# Altium PCB MB1404.PcbDoc (part 5 of 7)
Units mm, origin at the board's own origin, x right, y up, seen from the top; angles counter-clockwise.
Board outline 70 x 133.34 mm, 6 copper layers (Top Layer, Signal Layer 1, Signal Layer 2, Signal Layer 3, Signal Layer 4, Bottom Layer), stack 1.57 mm thick; 345 components, 311 nets, 1508 pads, 1746 vias.
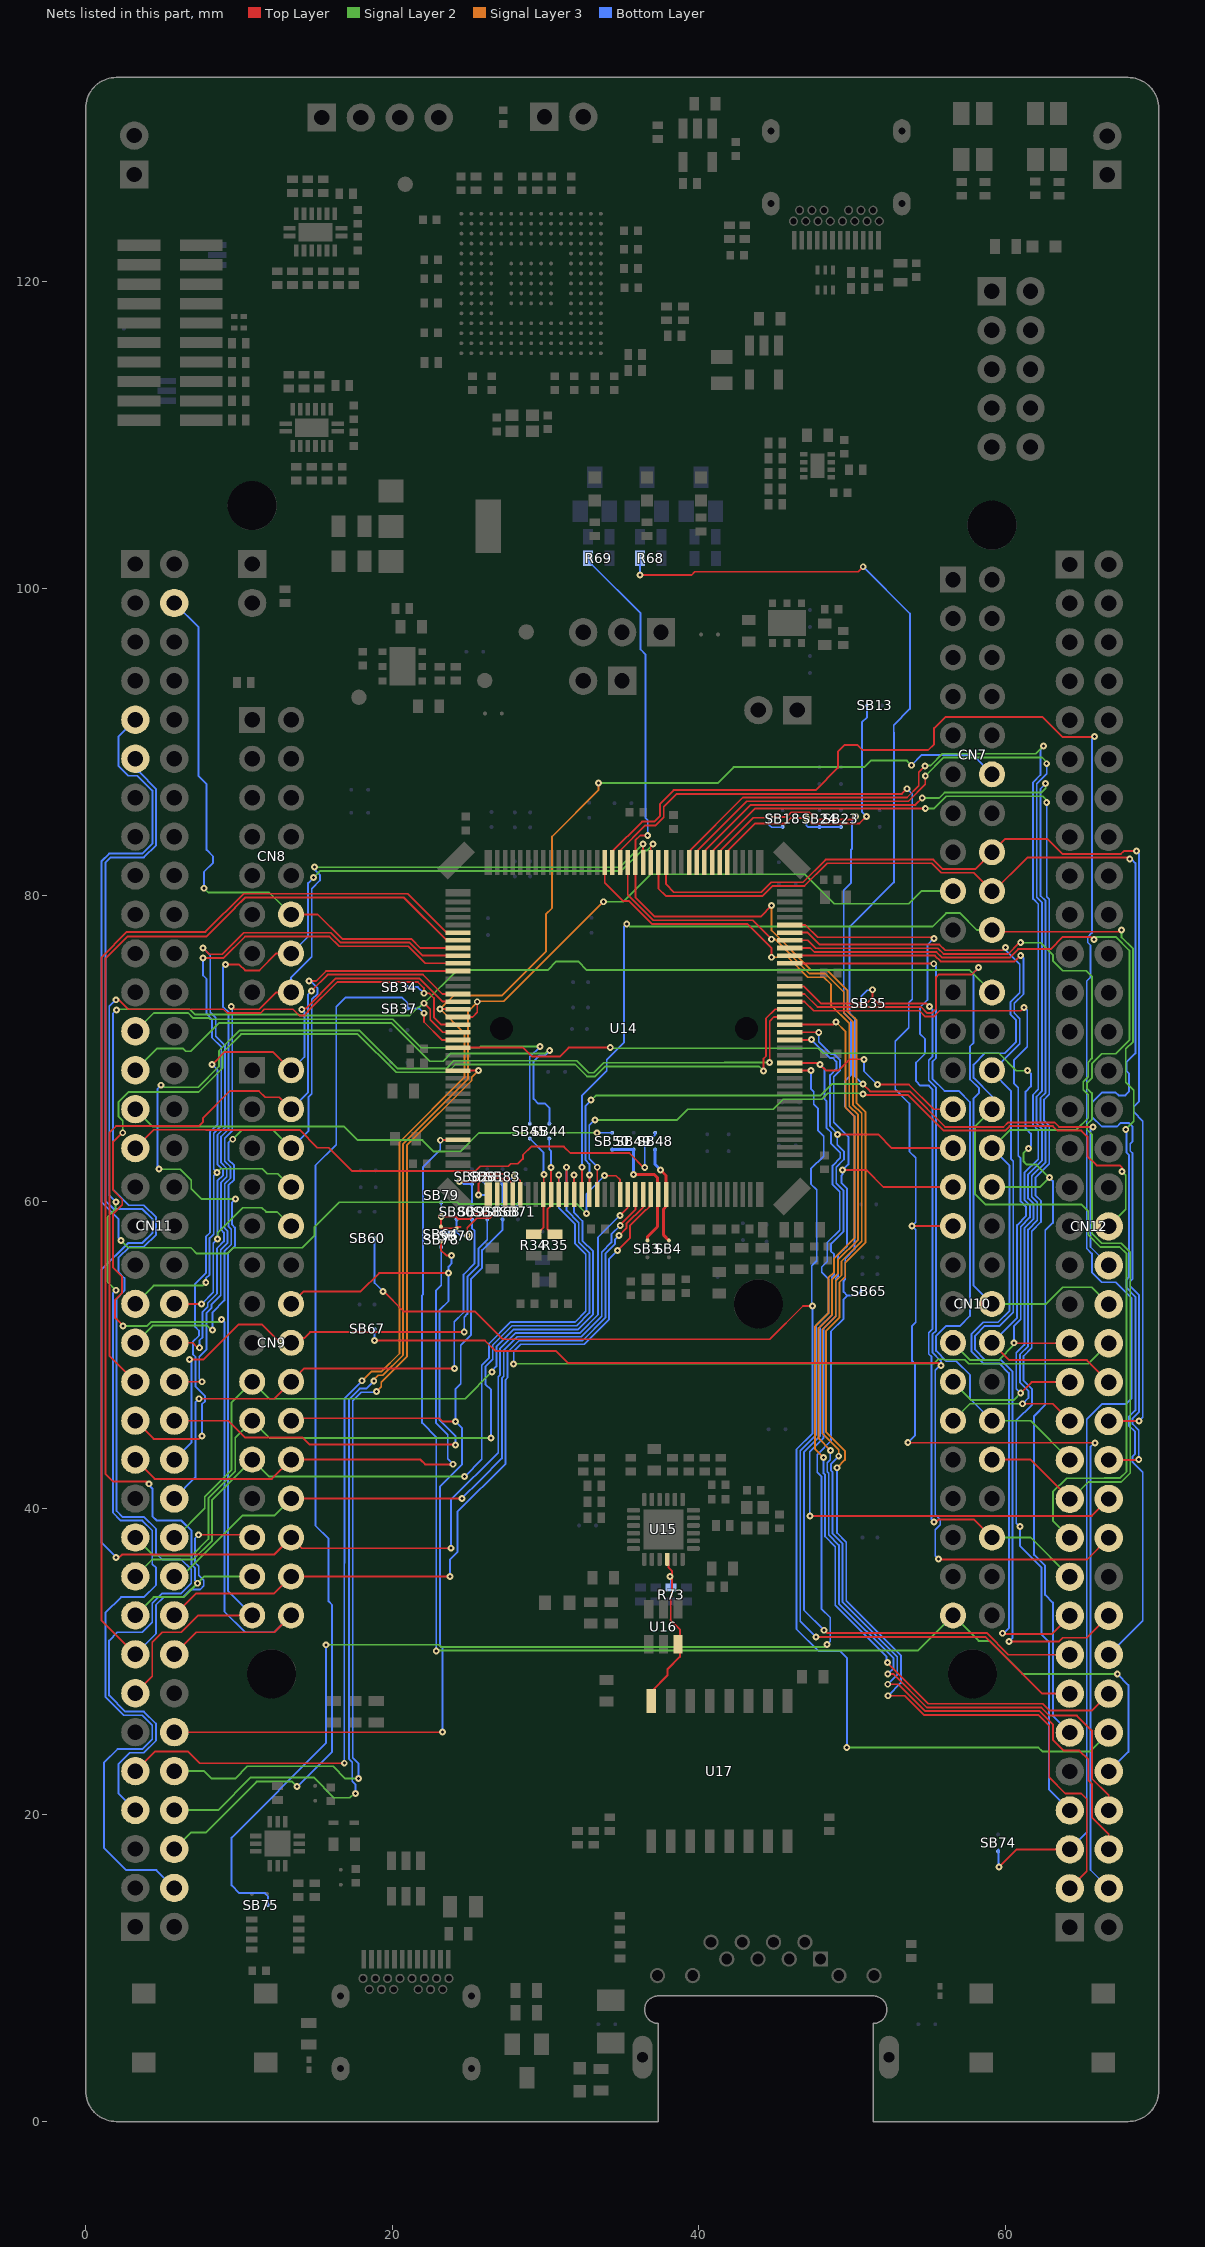
[diagram p9: the nets of this part, all layers, seen from the top]

## Via types
v1: diameter 0.45, hole 0.2, Top Layer to Bottom Layer, tented both sides, 1737 vias
v2: diameter 0.6, hole 0.3, Top Layer to Bottom Layer, tented both sides, 9 vias

## Nets (pads, with @x,y where several pads share a name; then routed paths per layer and width w, separated by ;. In a path a pad name is that pad's centre, name@x,y a point inside that pad or via, vN(x,y) a via of type N, cw(c..) or ccw(c..) an arc to the next point about the centre after c; other vN are vias at no path point) (continued)
PC14: CN11.25 SB45.1 | length 33.1
  Signal Layer 2 w0.12: CN11.25@3.246,71.119 4.441,72.314 6.686,72.314 7.02,71.98 8.05,71.98 8.121,71.909 20.041,71.909 21.9,70.05 25.693,70.05 25.768,70.125 v1(29.65,70.125)
  Bottom Layer w0.12: SB45.1@28.975,65.15 28.975,69.45 v1(29.65,70.125)
PC14-OSC32_IN: R34.1 SB45.2 U14.8 | length 7
  Top Layer w0.12: R34.1@29.225,57.875 29.425,57.875 29.866,58.316 U14.8@29.866,60.479 29.888,60.501 29.888,61.756 v1(29.91,61.778)
  Bottom Layer w0.12: SB45.2@28.975,64.125 29.866,63.234 29.866,61.822 v1(29.91,61.778)
PC15: CN11.27 SB44.1 | length 35.9
  Signal Layer 2 w0.127: CN11.27@3.246,68.579 4.678,70.01 6.337,70.01 6.531,69.816 6.869,69.816 8.718,71.665 19.941,71.665 22.439,69.166 23.316,69.166 23.828,69.678 29.988,69.678 30.188,69.878 v1(30.275,69.878)
  Bottom Layer w0.127: SB44.1@30.25,65.075 30.25,66.125 29.975,66.4 29.525,66.4 29.218,66.707 29.218,69.169 29.591,69.541 29.938,69.541 v1(30.275,69.878)
PC15-OSC32_OUT: R35.1 SB44.2 U14.9 | length 6.7
  Top Layer w0.12: v1(30.366,62.241) U14.9@30.366,60.479 30.366,59.749 30.125,59.508 30.125,58.225 30.475,57.875 R35.1@30.625,57.875
  Bottom Layer w0.12: SB44.2@30.25,64.125 30.25,63.425 30.366,63.309 v1(30.366,62.241)
PD0: CN9.25 CN11.57 U14.114 | length 87
  Top Layer w0.12: CN11.57@3.246,30.479 1.046,32.679 1.046,75.955 2.692,77.601 7.816,77.601 10.306,80.091 21.009,80.091 23.546,77.554 U14.114@24.291,77.554 ; v1(7.375,38.275) 10.69,38.275 CN9.25@10.866,38.099
  Bottom Layer w0.12: CN11.57@3.246,30.479 4.591,31.824 4.591,33.702 5.103,34.214 6.343,34.214 6.837,34.708 7.468,34.708 7.705,34.945 7.705,35.323 7.378,35.65 7.378,36.218 7.138,36.458 7.138,38.038 v1(7.375,38.275)
PD1: CN9.27 CN11.55 U14.115 | length 80
  Top Layer w0.127: v1(4.125,41.602) 3.98,41.747 1.803,41.747 1.289,42.261 1.289,75.854 2.743,77.307 7.894,77.307 9.758,79.17 9.758,79.198 10.407,79.847 20.753,79.847 23.546,77.054 U14.115@24.291,77.054
  Signal Layer 2 w0.127: CN11.55@3.246,33.019 4.438,34.21 6.398,34.21 v1(7.3,35.113) 7.746,35.559 CN9.27@10.866,35.559
  Bottom Layer w0.127: v1(4.125,41.602) 4.1,41.577 4.1,41.55 4.354,41.296 4.354,39.496 4.643,39.207 6.245,39.207 6.894,38.558 6.894,36.357 7.134,36.117 7.134,35.3 7.3,35.134 v1(7.3,35.113)
PD2: CN8.12 CN11.4 U14.116 | length 38.1
  Top Layer w0.12: CN8.12@13.406,78.739 15.144,78.739 16.74,77.143 21.236,77.143 21.825,76.554 U14.116@24.291,76.554
  Signal Layer 2 w0.12: v1(7.725,80.45) 8.001,80.174 11.971,80.174 CN8.12@13.406,78.739
  Bottom Layer w0.12: CN11.4@5.786,99.059 7.371,97.474 7.371,87.754 7.893,87.232 7.893,82.95 8.321,82.522 8.321,82.125 7.725,81.529 v1(7.725,80.45)
PD3: CN9.10 CN11.40 U14.117 | length 50.9
  Top Layer w0.12: v1(7.666,76.555) 8.076,76.145 8.91,76.145 10.309,77.544 15.999,77.544 16.641,76.903 21.137,76.903 21.986,76.054 U14.117@24.291,76.054
  Top Layer w0.127: CN11.40@5.786,53.339 7.576,53.339 v1(7.566,53.329)
  Signal Layer 2 w0.12: v1(8.616,57.579) 8.616,57.966 10.264,59.614 11.497,59.614 11.771,59.34 12.485,59.34 CN9.10@13.406,58.419
  Bottom Layer w0.12: v1(7.566,53.329) 8.331,54.094 8.331,57.294 v1(8.616,57.579) 8.596,57.599 8.596,61.361 8.971,61.736 8.971,62.072 8.596,62.447 8.596,64.355 9.086,64.845 9.086,70.201 8.486,70.801 8.486,72.003 8.133,72.356 8.133,76.088 v1(7.666,76.555)
PD4: CN9.8 CN11.39 U14.118 | length 50.8
  Top Layer w0.12: v1(7.666,75.905) 9.009,75.905 10.408,77.304 15.9,77.304 16.541,76.663 21.038,76.663 22.146,75.554 U14.118@24.291,75.554
  Signal Layer 2 w0.12: CN11.39@3.246,53.339 4.434,54.527 7.639,54.527 v1(7.841,54.729) ; v1(8.566,61.904) 8.816,62.154 11.532,62.154 11.862,61.824 12.541,61.824 CN9.8@13.406,60.959
  Bottom Layer w0.12: v1(7.666,75.905) 7.666,74.759 7.893,74.532 7.893,72.257 8.246,71.904 8.246,70.702 8.846,70.102 8.846,64.944 8.356,64.454 8.356,62.114 v1(8.566,61.904) 8.356,61.694 8.356,57.892 8.091,57.627 8.091,55.242 7.847,54.998 7.847,54.735 v1(7.841,54.729)
PD5: CN9.6 CN11.41 U14.119 | length 45.6
  Top Layer w0.12: v1@9.554,64.125 v1(9.6,64.078) ; v1(14.576,74.404) 14.572,74.4 15.036,74.4 15.689,75.054 U14.119@24.291,75.054
  Signal Layer 2 w0.12: CN11.41@3.246,50.799 4.372,51.925 7.925,51.925 8.25,51.6 8.281,51.631 v1(8.281,51.637) ; v1(9.6,64.078) 10.182,64.66 12.245,64.66 CN9.6@13.406,63.499
  Signal Layer 3 w0.12: v1(8.281,51.637) v1@8.293,51.625
  Bottom Layer w0.12: v1(8.281,51.637) 8.281,52.792 9.051,53.562 9.051,56.762 9.501,57.212 9.501,58.215 9.316,58.4 9.316,61.063 9.691,61.438 9.691,62.37 9.316,62.745 9.316,63.841 9.575,64.1 9.579,64.1 v1(9.6,64.078) ; CN9.6@13.406,63.499 14.55,64.643 14.55,66.843 14.751,67.044 14.751,73.203 15.13,73.582 15.13,73.918 14.644,74.404 v1(14.576,74.404)
PD6: CN9.4 CN11.43 U14.122 | length 49.3
  Top Layer w0.12: CN11.43@3.246,48.259 1.556,49.948 1.556,64.507 1.984,64.934 7.371,64.934 7.661,65.224 7.661,65.472 9.414,67.225 11.302,67.225 11.707,66.82 12.625,66.82 CN9.4@13.406,66.039 ; v1(14.725,73.75) 15.789,74.814 22.011,74.814 23.271,73.554 U14.122@24.291,73.554
  Bottom Layer w0.12: CN9.4@13.406,66.039 14.511,67.144 14.511,73.536 v1(14.725,73.75)
PD7: CN9.2 CN11.45 U14.123 | length 52.7
  Top Layer w0.12: v1(8.25,68.95) 9.079,69.779 12.206,69.779 CN9.2@13.406,68.579 ; v1(14.101,72.554) 14.101,72.599 14.351,72.6 16.325,74.574 21.776,74.574 23.296,73.054 U14.123@24.291,73.054
  Top Layer w0.127: CN11.45@3.246,45.719 4.431,44.534 7.397,44.534 v1(7.591,44.729)
  Bottom Layer w0.12: v1(7.591,44.729) 7.591,46.778 7.796,46.983 7.796,47.318 7.171,47.943 7.171,49.872 7,50.043 7,50.865 7.396,51.261 7.396,51.596 7.159,51.834 7.151,51.834 7.131,51.854 7.131,54.621 7.851,55.341 7.851,57.726 8.116,57.991 8.116,64.554 8.606,65.044 8.606,68.594 v1(8.25,68.95) ; CN9.2@13.406,68.579 14.271,69.444 14.271,72.383 v1(14.101,72.554)
PD8: SB13.2 SB23.1 SB24.1 U14.77 | length 21.4
  Top Layer w0.12: U14.77@41.866,82.129 41.866,82.858 43.693,84.685 45.658,84.685 46.008,85.035 46.865,85.035 46.95,84.95 46.973,84.95 v1(47.027,85.004) 47.346,84.685 50.485,84.685 50.95,85.15 v1(50.95,85.125)
  Bottom Layer w0.12: v1(47.027,85.004) 47.027,84.543 47.12,84.45 SB24.1@47.875,84.45 SB23.1@49.275,84.45 ; v1(50.95,85.125) 50.643,85.432 50.643,91.268 50.975,91.6 SB13.2@50.975,92.375
PD9: SB18.1 SB65.2 SB75.1 U14.78 | length 124.4
  Top Layer w0.12: U14.78@41.366,82.129 41.366,82.866 43.55,85.05 44.55,85.05 v1(44.6,85.1) 45.734,85.1 46.043,85.409 47.195,85.409 47.679,84.925 50.025,84.925 v1(50.225,85.125)
  Signal Layer 2 w0.12: v1(15.675,31.1) 22.702,31.1 22.707,31.105 23.043,31.105 23.189,30.959 48.209,30.959 v1(48.375,31.125)
  Bottom Layer w0.12: SB75.1@11.9,14.125 11.9,14.7 11.7,14.9 10.025,14.9 9.525,15.4 9.525,18.525 15.675,24.675 v1(15.675,31.1) ; v1(44.6,85.1) 44.6,84.575 44.75,84.425 45.45,84.425 SB18.1@45.475,84.45 ; v1(48.375,31.125) 48.58,31.33 48.58,32.88 47.995,33.465 47.995,42.089 47.722,42.362 47.722,43.495 47.786,43.559 47.786,43.564 48.625,44.403 48.625,51.542 49.442,52.359 49.442,53.631 49.686,53.875 ; v1(50.225,85.125) 50,84.9 50,83.035 49.94,82.975 49.94,80.8 49.455,80.315 49.455,72.334 49.94,71.849 49.94,68.277 49.525,67.862 49.525,66.214 50.15,65.589 50.15,56.896 49.55,56.296 49.55,54.932 49.442,54.824 49.442,54.119 49.686,53.875 ; SB65.2@50.6,54.175 50.3,53.875 49.686,53.875
PD10: CN12.65 U14.79 | length 93.5
  Top Layer w0.12: U14.79@40.866,82.129 40.866,82.858 43.658,85.65 v1(54.775,85.65)
  Signal Layer 2 w0.12: v1(54.775,85.65) 55.33,85.65 56.128,86.448 62.427,86.448 62.725,86.15 62.696,86.121 v1(62.696,86.043)
  Bottom Layer w0.12: v1(60.95,38.825) v1@60.95,38.8 ; v1(62.696,86.043) 62.696,79.888 62.861,79.723 62.861,67 62.766,66.905 62.757,66.905 62.52,66.668 62.52,65.305 62.861,64.964 62.861,62.486 61.967,61.592 61.967,61.571 61.962,61.565 61.962,60.418 62.322,60.058 62.322,58.682 61.722,58.082 61.722,50.468 61.191,49.937 61.191,48.323 61.74,47.774 61.74,46.765 60.711,45.736 60.711,39.039 v1@60.95,38.8 ; CN12.65@64.206,20.294 62.854,21.646 62.854,31.271 62.35,31.775 62.35,36.15 60.95,37.55 v1@60.95,38.8
PD11: CN10.23 CN12.45 U14.80 | length 75.9
  Top Layer w0.12: U14.80@40.366,82.129 40.366,82.866 43.39,85.89 54.128,85.89 v1(54.575,86.337) ; v1(61.125,46.824) 63.076,46.824 CN12.45@64.206,45.694
  Signal Layer 2 w0.12: v1(54.575,86.337) 55.678,86.337 56.029,86.688 62.338,86.688 62.628,86.978 v1(62.628,87.272) ; CN10.23@56.586,45.719 57.691,46.824 v1(61.125,46.824)
  Bottom Layer w0.12: v1(61.125,46.824) 61.5,47.199 61.5,47.675 60.951,48.224 60.951,50.037 61.482,50.568 61.482,58.181 62.082,58.781 62.082,59.958 61.722,60.318 61.722,61.67 61.727,61.676 61.727,61.692 62.621,62.585 62.621,64.865 62.28,65.206 62.28,66.767 62.621,67.108 62.621,79.624 62.291,79.954 62.291,86.935 v1(62.628,87.272)
PD12: CN10.21 CN12.43 U14.81 | length 78.1
  Top Layer w0.12: U14.81@39.866,82.129 39.866,82.866 43.13,86.13 53.68,86.13 54.775,87.225 v1(54.775,87.775) ; v1(61,47.525) 61.709,48.234 CN12.43@64.206,48.234
  Signal Layer 2 w0.12: v1(54.775,87.775) 55.988,88.988 62.387,88.988 62.725,88.65 62.725,88.604 v1(62.696,88.575) ; CN10.21@56.586,48.259 57.781,47.064 60.539,47.064 v1(61,47.525)
  Signal Layer 3 w0.12: v1(62.696,88.575) v1@62.696,88.595
  Bottom Layer w0.12: v1(61,47.525) 60.711,47.814 60.711,50.136 61.242,50.667 61.242,58.281 61.842,58.881 61.842,59.859 61.482,60.219 61.482,61.775 61.487,61.78 ; 61.482,61.786 62.381,62.685 62.381,64.765 62.04,65.106 62.04,66.867 62.381,67.208 62.381,79.524 62.051,79.854 62.051,87.268 62.696,87.913 v1(62.696,88.575)
PD13: CN10.19 CN12.41 U14.82 | length 76.5
  Top Layer w0.12: U14.82@39.366,82.129 39.366,82.858 42.878,86.37 53.581,86.37 54.35,87.139 54.35,88.025 v1(54.75,88.425) ; v1(60.556,50.8) 60.582,50.774 CN12.41@64.206,50.774
  Signal Layer 2 w0.12: v1(54.75,88.425) 54.782,88.457 55.118,88.457 55.888,89.228 61.978,89.228 v1(62.475,89.725) ; CN10.19@56.586,50.799 57.71,49.675 59.565,49.675 60.556,50.666 v1(60.556,50.8)
  Bottom Layer w0.12: v1(60.556,50.8) 60.556,51.885 61.002,52.331 61.002,58.38 61.602,58.98 61.602,59.759 61.242,60.119 61.242,61.885 62.141,62.784 62.141,64.666 61.8,65.007 61.8,66.984 62.141,67.325 62.141,79.425 61.811,79.755 61.811,87.367 62.291,87.847 62.291,89.491 62.525,89.725 v1(62.475,89.725)
PD14: CN7.16 CN12.46 U14.85 | length 74.5
  Top Layer w0.12: U14.85@37.866,82.129 37.866,80.709 38.38,80.195 44.074,80.195 44.726,80.846 46.796,80.846 48.27,82.32 55.305,82.32 55.927,81.698 58.021,81.698 CN7.16@59.126,82.803 59.991,83.668 62.726,83.668 63.705,82.689 67.543,82.689 67.729,82.875 v1(68.55,82.875) ; CN12.46@66.746,45.694 68.695,45.694 v1(68.703,45.702)
  Bottom Layer w0.12: v1(68.55,82.875) 68.721,82.704 68.721,66.544 68.37,66.193 68.37,65.857 68.961,65.266 68.961,45.936 68.725,45.7 68.723,45.702 v1(68.703,45.702)
PD15: CN7.18 CN12.48 U14.86 | length 82.4
  Top Layer w0.12: U14.86@37.366,82.129 37.366,80.434 37.845,79.955 44.174,79.955 44.825,80.606 46.896,80.606 48.369,82.08 55.206,82.08 55.828,81.458 57.931,81.458 CN7.18@59.126,80.263 59.126,80.149 61.426,82.449 68.001,82.449 68.088,82.362 v1(68.112,82.362) ; CN12.48@66.746,43.154 68.679,43.154 v1(68.7,43.175)
  Bottom Layer w0.12: v1(68.112,82.362) 68.214,82.362 68.481,82.095 68.481,69.681 67.898,69.098 67.898,68.538 68.061,68.375 68.061,67.172 67.825,66.936 67.387,66.936 67.204,67.119 66.288,67.119 65.641,66.472 65.641,65.556 66.288,64.909 67.284,64.909 67.505,65.13 68.059,65.13 68.301,64.888 68.301,63.951 68.148,63.799 68.148,63.31 68.301,63.158 68.301,54.975 68.145,54.819 68.145,54.482 68.721,53.906 68.721,46.293 68.298,45.87 68.298,45.502 68.7,45.1 v1(68.7,43.175)
PE0: CN10.33 CN12.64 U14.141 | length 89.5
  Top Layer w0.12: v1(23.138,64.013) 23.158,64.033 24.27,64.033 U14.141@24.291,64.054
  Signal Layer 2 w0.12: v1(22.875,30.7) 22.894,30.719 54.286,30.719 CN10.33@56.586,33.019 58.255,31.35 58.975,31.35 61.125,29.2 v1(67.3,29.2)
  Bottom Layer w0.12: v1(22.875,30.7) 22.875,44.65 21.95,45.575 21.95,53.887 22.005,53.942 22.005,62.254 23.138,63.386 v1(23.138,64.013) ; CN12.64@66.746,22.834 68.025,24.113 68.025,28.475 v1(67.3,29.2)
PE2: SB64.2 SB70.1 SB79.1 U14.1 | length 7.2
  Top Layer w0.12: SB64.2@23.175,58.375 23.187,58.387 23.187,59.037 v1(23.2,59.05) ; SB64.2@23.224,58.275 SB70.1@24.202,58.275 ; SB70.1@24.202,58.35 24.45,58.35
  Top Layer w0.127: v1(23.2,59.05) 24.144,59.05 24.319,58.875 25.05,58.875 25.375,59.2 26.075,59.2 26.266,59.391 U14.1@26.266,60.479
  Bottom Layer w0.12: v1@23.2,59.1 SB79.1@23.2,59.95
PE2M: CN9.14 CN11.46 SB64.1 | length 44.7
  Top Layer w0.12: CN11.46@5.786,45.719 9.303,45.719 10.408,44.614 14.167,44.614 14.626,44.155 24.105,44.155 v1(24.125,44.135) ; CN9.14@13.406,53.339 14.217,54.15 17.95,54.15 19.15,55.35 23.625,55.35 v1@23.675,55.3 ; SB64.1@23.175,57.4 23.175,56.85 23.525,56.5 v1(23.875,56.5) ; SB64.1@23.225,57.4 23.225,57.525
  Bottom Layer w0.12: v1@23.85,56.475 23.875,56.45 23.875,55.975 23.675,55.775 v1(23.675,55.35) 23.675,53.525 23.093,52.943 23.093,45.755 24.125,44.724 v1(24.125,44.135)
PE3: SB78.2 SB80.1 U14.2 | length 6.4
  Top Layer w0.12: v1(24.9,57.8) 24.9,58.3 25.529,58.929 26.356,58.929 26.866,59.438 U14.2@26.866,60.479
  Bottom Layer w0.12: 23.4,58 24.225,58 ; SB80.1@24.2,58.85 24.2,58.025 24.225,58 ; v1(24.9,57.8) 24.425,57.8 24.225,58
PE3M: CN9.22 CN11.47 SB78.1 | length 36.7
  Top Layer w0.127: CN11.47@3.246,43.179 4.5,41.925 12.152,41.925 CN9.22@13.406,43.179 21.846,43.179 22.15,42.875 23.95,42.875 v1@24,42.825
  Bottom Layer w0.127: SB78.1@23.2,57.05 23.2,54.558 22.85,54.208 22.85,45.575 23.625,44.8 23.625,43.225 v1(23.975,42.875)
PE4: SB8.2 SB81.1 U14.3 | length 5.7
  Top Layer w0.12: v1(25.625,60.45) 25.625,61.175 26,61.55 27.15,61.55 27.276,61.424 27.276,60.569 U14.3@27.366,60.479
  Bottom Layer w0.12: v1(25.625,60.45) 26.2,60.45 ; 25.925,61.3 26.137,61.088 26.2,61.025 26.2,60.45 ; SB8.2@26.2,59.85 26.2,60.45
PE4M: CN9.16 CN11.48 SB8.1 | length 34.7
  Top Layer w0.127: v1(6.766,49.704) 7.679,49.704 9.965,51.99 11.51,51.99 12.701,50.799 13.949,50.799 13.949,50.916 14.133,51.1 14.25,51.1 14.649,51.499 v1(24.7,51.499)
  Bottom Layer w0.127: CN11.48@5.786,43.179 6.916,44.309 6.916,49.554 v1(6.766,49.704) ; v1(24.7,51.499) 24.7,52.481 24.9,52.681 24.9,55.1 25.625,55.825 25.625,56.95 26.2,57.525 SB8.1@26.2,58.825
PE5: SB9.2 SB82.1 U14.4 | length 6.8
  Top Layer w0.12: v1(24.403,61.325) 25.429,61.325 25.904,61.8 27.274,61.8 27.696,61.378 27.696,61.324 27.866,61.154 U14.4@27.866,60.479
  Bottom Layer w0.12: v1(24.403,61.325) 24.492,61.325 24.667,61.15 SB82.1@25.2,61.15 SB9.2@25.2,59.825
PE5M: CN9.18 CN11.50 SB9.1 | length 35
  Top Layer w0.12: CN9.18@13.406,48.259 14.272,49.125 v1(24.07,49.125)
  Top Layer w0.127: v1(7.391,47.15) 12.298,47.15 CN9.18@13.406,48.259
  Bottom Layer w0.12: v1(24.07,49.125) 24.05,49.145 24.05,52.175 24.65,52.775 24.65,55.25 25.375,55.975 25.375,58.1 25.2,58.275 SB9.1@25.2,58.85
  Bottom Layer w0.127: CN11.50@5.786,40.639 7.166,42.019 7.166,46.925 v1(7.391,47.15)
PE6: SB68.2 SB71.2 SB83.1 U14.5 | length 4.4
  Top Layer w0.12: v1(27.961,61.686) 28.039,61.686 28.35,61.375 28.35,60.495 U14.5@28.366,60.479
  Bottom Layer w0.12: 27.1,61.25 SB83.1@27.2,61.15 27.2,59.875 SB68.2@27.225,59.85 ; SB68.2@27.275,59.825 SB71.2@28.2,59.825 ; 27.475,61.325 27.6,61.325 v1(27.961,61.686)
PE6M: CN9.20 CN11.62 SB68.1 | length 64.1
  Top Layer w0.12: CN11.62@5.786,25.399 23.274,25.399 v1(23.275,25.4) ; CN9.20@13.406,45.719 13.562,45.875 23.075,45.875 23.275,45.675 v1(24.125,45.675)
  Bottom Layer w0.12: v1(23.275,25.4) 23.275,30.362 23.28,30.367 23.28,30.868 23.115,31.033 23.115,41.417 24.545,42.847 24.545,45.255 v1(24.125,45.675) 24.125,47.775 24.475,48.125 24.475,50.65 25.15,51.325 25.15,54.975 25.869,55.694 25.869,56.844 27.2,58.175 SB68.1@27.2,58.85 27.2,58.986
PE7: CN10.20 CN12.44 U14.58 | length 48.2
  Top Layer w0.12: U14.58@45.941,73.054 46.896,73.054 47.486,72.464 54.399,72.464 54.783,72.08 55.317,72.08 55.701,72.464 60.989,72.464 61.2,72.675 v1(61.225,72.675)
  Top Layer w0.127: CN10.20@59.126,50.799 60.26,49.665 65.314,49.665 CN12.44@66.746,48.234
  Bottom Layer w0.12: CN10.20@59.126,50.799 CN10.20@59.361,51.034 ; 60.841,62.992 60.84,62.993 60.84,67.437 60.565,67.712 60.565,69.253 61.421,70.109 61.421,72.479 v1(61.225,72.675)
  Bottom Layer w0.127: CN10.20@59.361,51.034 60.758,52.431 60.758,58.481 61.359,59.081 61.359,59.659 60.998,60.019 60.998,62.84 60.844,62.995
PE8: CN10.18 CN12.40 U14.59 | length 46.8
  Top Layer w0.12: U14.59@45.941,73.554 46.896,73.554 47.746,72.704 54.498,72.704 54.882,72.32 55.218,72.32 55.481,72.583 55.481,74.658 55.648,74.825 57.8,74.825 v1(58.25,75.275)
  Signal Layer 2 w0.12: CN10.18@59.126,53.339 62.664,53.339 63.744,54.419 65.641,54.419 CN12.40@66.746,53.314
  Bottom Layer w0.12: v1(58.25,75.275) 57.931,74.956 57.931,70.374 57.691,70.134 57.691,67.982 58.282,67.391 58.282,67.097 57.931,66.746 57.931,54.534 CN10.18@59.126,53.339
PE9: CN12.52 SB35.2 SB67.1 U14.60 | length 99.2
  Top Layer w0.12: v1(18.85,50.95) 26.05,50.95 26.725,50.275 30.675,50.275 31.474,49.476 55.648,49.476 v1(55.8,49.325) ; U14.60@45.941,74.054 46.846,74.054 47.956,72.944 50.944,72.944 51.328,73.328 ; v1(51.328,73.829) 51.328,73.328 ; v1(55.05,72.725) 54.831,72.944 51.711,72.944 51.328,73.328 ; v1(55.625,36.7) 55.661,36.664 65.336,36.664 CN12.52@66.746,38.074
  Bottom Layer w0.12: v1(18.85,50.95) SB67.1@18.85,51.7 ; SB35.2@50.6,72.944 50.6,73.4 51,73.8 51.299,73.8 v1(51.328,73.829) ; v1(55.05,72.725) 55.235,72.54 55.235,69.469 55.001,69.235 55.001,67.922 55.481,67.442 55.481,51.596 55.241,51.356 55.241,50.17 55.8,49.611 v1(55.8,49.325) 55.75,49.325 55.425,49 55.425,39.598 55.755,39.268 55.755,38.93 55.425,38.6 55.425,36.9 v1(55.625,36.7)
PE10: CN10.24 CN12.47 U14.63 | length 50.5
  Top Layer w0.12: U14.63@45.941,75.554 45.945,75.55 55.3,75.55 v1(55.325,75.525)
  Signal Layer 2 w0.12: CN10.24@59.126,45.719 61.641,45.719 CN12.47@64.206,43.154
  Bottom Layer w0.12: v1(55.325,75.525) 55.325,75.55 55.475,75.4 55.475,69.37 55.241,69.136 55.241,68.022 56.029,67.234 56.954,67.234 57.691,66.497 57.691,52.551 57.044,51.904 56.128,51.904 55.481,51.257 55.481,50.269 56.15,49.6 56.808,49.6 57.691,48.717 57.691,47.154 CN10.24@59.126,45.719
PE11: CN10.6 CN12.56 U14.64 | length 72.5
  Top Layer w0.12: U14.64@45.941,76.054 55.403,76.054 55.774,75.683 56.325,75.683 ; 56.325,75.68 60.605,75.68 v1(61,76.075) ; v1(60.225,31.325) 60.245,31.305 63.495,31.305 63.748,31.559 65.311,31.559 CN12.56@66.746,32.994
  Bottom Layer w0.12: v1(60.225,31.325) 60.471,31.571 60.471,48.922 59.699,49.694 58.668,49.694 58.021,50.341 58.021,51.257 58.668,51.904 59.618,51.904 60.515,52.801 60.515,62.639 60.36,62.794 60.36,64.864 60.36,67.169 60.36,67.238 59.126,68.472 CN10.6@59.126,68.579 59.213,68.579 60.941,70.307 60.941,71.951 60.58,72.312 60.58,72.942 61.181,73.543 61.181,75.894 v1(61,76.075)
PE12: CN10.26 CN12.49 U14.65 | length 72.2
  Top Layer w0.12: U14.65@45.941,76.554 47.271,76.554 47.531,76.294 55.502,76.294 55.873,75.923 60.275,75.923 60.832,76.48 62.949,76.48 63.748,77.279 65.571,77.279 65.75,77.1 v1(65.775,77.1) ; CN10.26@59.126,43.179 61.641,43.179 CN12.49@64.206,40.614
  Signal Layer 2 w0.12: CN12.49@64.206,40.614 64.314,40.614 65.419,41.719 67.558,41.719 68.145,42.306 68.145,56.705 67.561,57.289 66.288,57.289 65.641,57.936 65.641,64.393 65.323,64.71 65.323,65.046 65.641,65.364 65.641,67.086 65.32,67.407 65.32,67.743 65.641,68.064 65.641,69.012 66.288,69.659 67.2,69.659 68.091,70.55 68.091,76.392 67.204,77.279 65.954,77.279 v1(65.775,77.1)
PE13: CN10.10 CN12.55 U14.66 | length 78.8
  Top Layer w0.12: U14.66@45.941,77.054 47.111,77.054 47.631,76.534 55.602,76.534 55.973,76.163 60.176,76.163 60.913,76.9 v1(61,76.9) ; v1(59.803,31.852) 59.751,31.8 63.012,31.8 CN12.55@64.206,32.994